# Altium PCB MCU021_V1.0_PCB.PcbDoc (part 2 of 3) (continued)
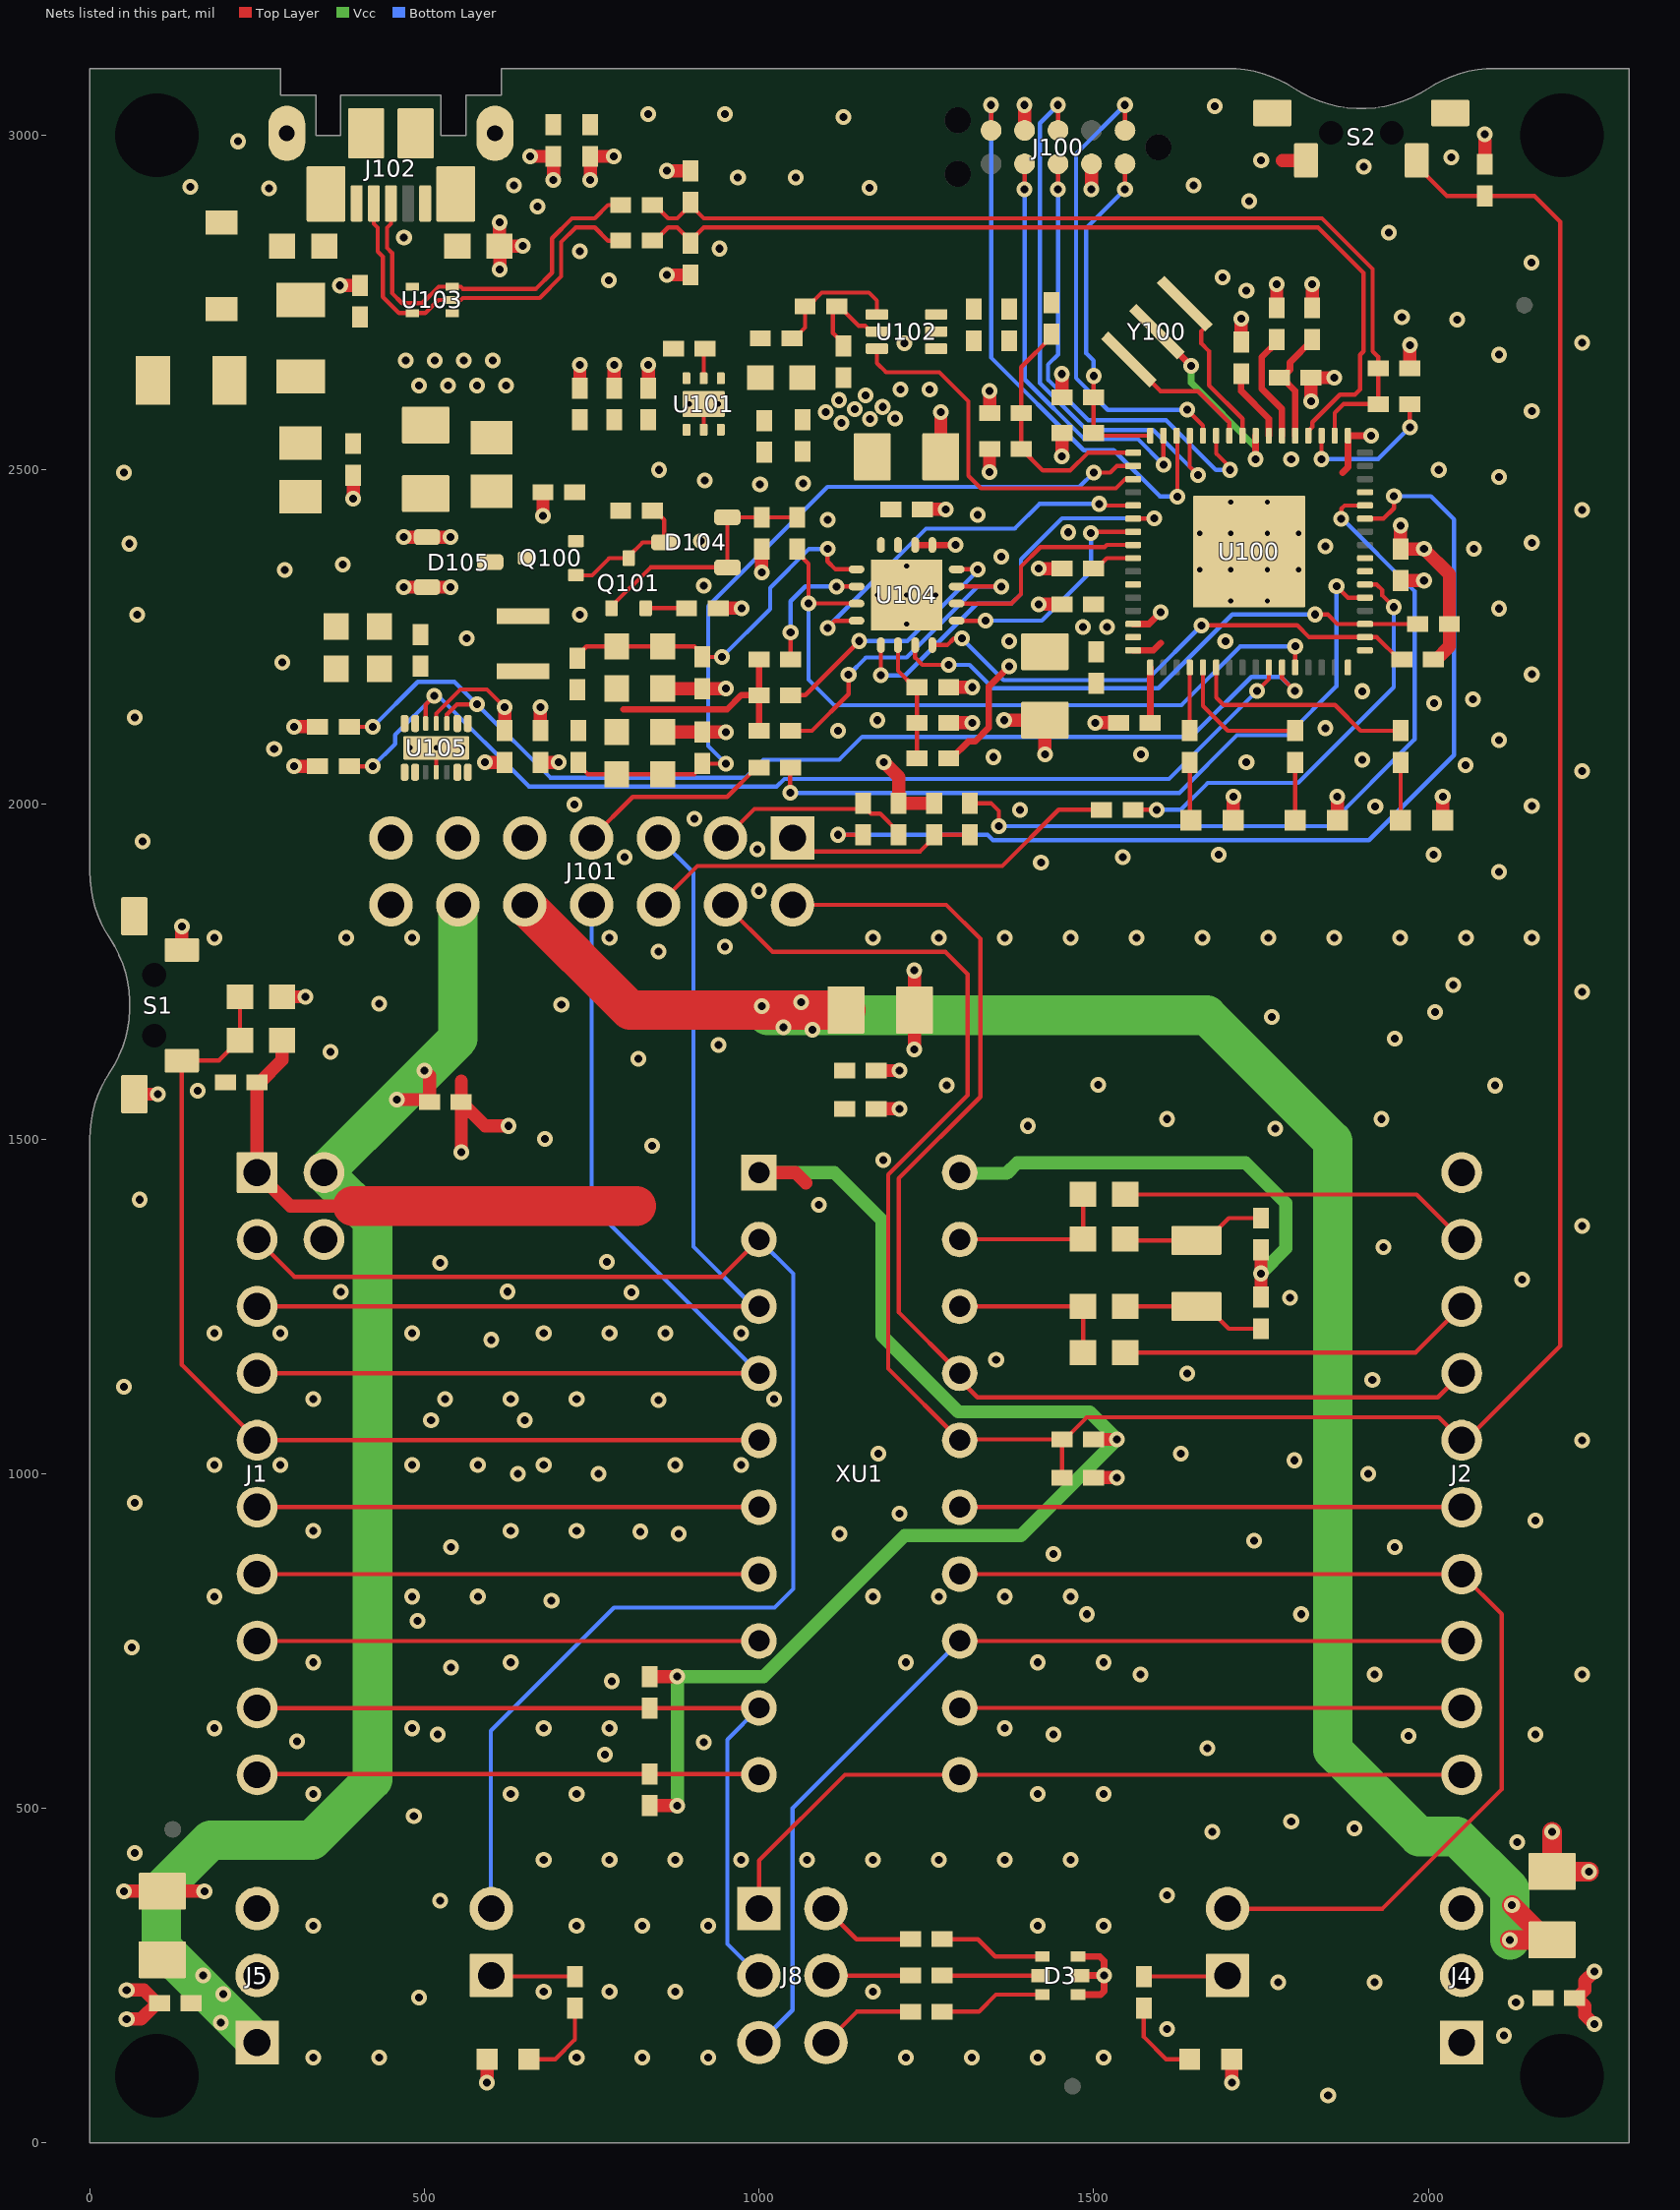
[diagram p4: the nets of this part, all layers, seen from the top]
## Part data (continued)
ZZ2 ZZ3 ZZ4 ZZ5 ZZ6 ZZ7: library part AssemblyNote, Alternate Manufacturer=-, Alternate PartNumber=-, ClassName=AssemblyNote, CompType=AssemblyNote, LatestRevisionDate=2012-06-14, LatestRevisionNote="Initial Version", Publisher="Texas Instruments", SymbolCreator=codlsc, SymbolVersion=2010-05-18

## Via types
v1: diameter 23.62, hole 11.81, Top Layer to Bottom Layer, tented both sides, 436 vias
v2: diameter 19.68, hole 7.87, Top Layer to Bottom Layer, tented both sides, 20 vias
v3: diameter 23.62, hole 11.81, Top Layer to Bottom Layer, 2 vias
v4: diameter 19.68, hole 7.87, Top Layer to Bottom Layer, tented bottom, 2 vias

## Nets (pads, with @x,y where several pads share a name; then routed paths per layer and width w, separated by ;. In a path a pad name is that pad's centre, name@x,y a point inside that pad or via, vN(x,y) a via of type N, cw(c..) or ccw(c..) an arc to the next point about the centre after c; other vN are vias at no path point)
3.3V: C1.1 C2.1 C3.1 C4.1 C6.1 C7.1 J1.1 J4.1 J101.10 R1.1 R2.1 R6.2 R10.2 XU1.1 | length 5735
  Top Layer w19.68: R6.2@287.4,1647.64 287.4,1618.11 253.94,1584.65 C1.1@250,1584.65 J1.1@250,1450 300,1400 393.26,1400 ; R2.1@836.61,503.94 v1(877.95,503.94) ; R1.1@836.61,696.85 v1(877.95,696.85) ; XU1.1@1000,1450 1054.72,1450 1070,1434.72 ; R10.2@1500,1051.18 v1(1535.04,1051.18)
  Top Layer w29.53: v1(2122.05,303.15) C6.1@2177.17,303.15 ; v1(2125.2,355.12) C6.1@2177.17,303.15 ; C6.1@2185.04,303.15 C6.1@2177.17,303.15
  Top Layer w59.06: 393.26,1400 816.81,1400 ; J101.10@650,1850 807.09,1692.91 C2.1@1129.92,1692.91
  Vcc w19.68: v1(877.95,503.94) v1(877.95,696.85) 1006.7,696.85 1217.53,907.68 1391.54,907.68 v1(1535.04,1051.18) 1493.9,1092.32 1297.82,1092.32 1183.86,1206.29 1183.86,1378.74 1112.6,1450 XU1.1@1000,1450
  Vcc w59.06: 1012.99,1685.04 1669.18,1685.04 1857.24,1496.97 1857.24,586.85 1986.22,457.87 2042.24,457.87 2122.05,378.06 v1(2122.05,303.15)
  other v1: 2113.39,160.24 2131.1,209.84 1079.92,1663.39 1036.22,1667.32 1003.94,1698.82 1062.99,1704.72
5.0V: C5.1 C8.1 C9.1 J3.21 J5.1 J101.12 | length 2200.3
  Top Layer w19.68: C8.1@108.27,273.62 C8.1@116.14,273.62 ; v1(459.05,1559.06) 503.94,1559.06 C5.1@507.87,1555.12 507.87,1594.48 v1(500,1602.36)
  Vcc w59.06: J5.1@250,150 106.69,293.31 106.69,378.23 180.82,452.36 331.84,452.36 422.44,542.96 422.44,1377.56 J3.21@350,1450 v1(459.05,1559.06) 550,1650 J101.12@550,1850
  other v1: 196.06,179.53 199.21,222.05 169.29,250.39
EZ_GND: C100.2 C101.2 C102.2 C103.2 C104.2 C105.2 C106.1 C107.1 C108.2 C109.1 C110.2 C111.2 C112.2 C113.2 C114.2 C115.2 C116.2 C117.2 C118.2 C119.2 C121.2 C122.2 C123.2 C124.2 C125.2 C126.2 C127.2 C128.2 C129.2 C130.2 C131.2 C133.2 C136.2 C137.2 C138.2 C139.2 C140.2 C141.1 C142.2 D100.1 D101.1 D102.1 D105.1 D105.2 J100.9 J101.13 L101.2 R116.1 R117.1 R122.1 R123.1 R124.1 R129.1 R130.1 R131.1 R132.1 R135.1 R136.1 U100.14 U100.16 U100.39 U100.49 U100.56 U100.65@1732.28,2377.95 U101.3 U101.5 U101.7@917.32,2598.43 U102.1 U102.2 U103.4 U104.13 U104.14 U104.17 U105.11 U105.15@517.72,2084.65 Y100.2 | length 2666
  Top Layer w6.3: U105.11@517.72,2048.23 v2(517.72,2084.65) ; U101.5@917.32,2560.04 U101.7@917.32,2598.43
  Top Layer w9.84: U104.14@1233.27,2387.8 v1(1293.9,2387.8) ; U100.16@1559.06,2230.31 1589.37,2230.31 1600.39,2241.34 ; U100.14@1559.06,2269.68 1582.68,2269.68 v1(1600.39,2287.4) ; Y100.2@1594.49,2706.69 v1(1645.75,2655.47) ; v1(1742.13,2516.14) U100.56@1742.13,2551.18 ; U100.49@1879.96,2551.18 v1(1915,2551.18)
  Top Layer w10: 1872.05,2496.06 1879.96,2503.97 U100.49@1879.96,2551.18 ; C113.2@1958.66,2334.65 C113.2@1958.66,2338.58
  Top Layer w19.68: v1(305.51,2057.09) R136.1@340.55,2057.09 ; v1(305.51,2116.14) R135.1@340.55,2116.14 ; v1(374.02,2775.59) C126.2@403.54,2775.59 ; v1(393.7,2457.09) C122.2@393.7,2492.13 ; v1(468.9,2324.8) D105.2@503.94,2324.8 v1(538.98,2324.8) ; v1(468.9,2399.61) D105.1@503.94,2399.61 v1(538.98,2399.61) ; v1(590.55,2062.99) C141.1@620.08,2062.99 ; v1(612.2,2869.69) L101.2@612.2,2834.65 v1(647.24,2834.65) ; v1(612.6,2799.29) L101.2@612.6,2834.33 ; v1(657.87,2968.5) C125.2@692.91,2968.5 v1(692.91,2933.46) ; C140.2@673.23,2062.99 674.41,2061.81 675.59,2062.99 v1(700.79,2062.99) ; v1(677.17,2431.5) C129.2@677.17,2466.54 ; C100.2@732.28,2622.05 v1@732.28,2657.09 ; v1(748.03,2933.46) R117.1@748.03,2968.51 v1(783.07,2968.51) ; C101.2@783.46,2622.05 v1@783.46,2657.09 ; C102.2@834.65,2622.05 v1@834.65,2657.09 ; R132.1@856.3,2108.27 903.54,2108.27 C139.2@915.35,2108.27 v1(950.39,2108.27) ; R131.1@856.3,2173.23 C138.2@915.35,2173.23 v1(950.39,2173.23) ; v1(862.6,2791.34) C123.2@897.64,2791.34 ; v1(862.6,2946.85) C124.2@897.64,2946.85 ; R124.1@938.98,2293.31 v1(974.02,2293.31) ; v1(1003.94,2346.85) R122.1@1003.94,2381.89 ; v1(1186.69,2063.11) 1208.66,2041.14 C107.1@1208.66,2001.97 1250,2001.97 C106.1@1261.81,2001.97 ; C131.2@1244.09,2440.94 v1(1279.13,2440.95) ; C130.2@1271.65,2519.68 v1(1271.65,2586.61) ; C136.2@1283.46,2122.05 v1(1318.5,2122.05) ; R129.1@1283.46,2175.2 v1(1318.5,2175.2) ; v1(1344.49,2496.46) R130.1@1344.49,2531.5 ; C137.2@1344.49,2584.65 1344.09,2585.04 1344.72,2585.67 v1(1344.72,2618.11) ; v1(1366.14,2125.98) C111.2@1427.16,2125.98 v1(1427.17,2074.8) ; v1(1417.72,2299.21) C112.2@1452.76,2299.21 ; v1(1417.72,2352.36) C105.2@1452.76,2352.36 ; v1(1452.76,2520.08) C117.2@1452.76,2555.12 ; v1(1496.85,2919.29) J100.9@1496.85,2957.28 ; v1(1502.36,2122.05) C109.1@1537.4,2122.05 ; D100.1@1708.66,1976.38 v1(1708.66,2011.42) ; C108.2@1720.47,2690.94 v1(1720.47,2725.99) ; C110.2@1773.62,2742.13 v1(1773.62,2777.17) ; v1(1824.8,2602.75) C116.2@1824.8,2637.8 v1(1859.84,2637.8) ; C115.2@1826.77,2742.13 v1(1826.77,2777.17) ; D101.1@1864.17,1976.38 v1(1864.17,2011.42) ; C113.2@1958.66,2334.65 v1(1993.7,2334.65) ; R116.1@1972.44,2651.57 v1(1972.44,2686.62) ; D102.1@2021.65,1976.38 v1(2021.65,2011.42)
  Vcc w9.84: v1(1645.75,2655.47) 1645.75,2630.22 1742.13,2533.84 v1(1742.13,2516.14)
  other v1: 1421.26,1913.39 799.21,1921.26 1543.31,1921.26 1686.61,1924.68 2007.87,1925.2 997.56,1933.15 78.74,1944.88 903.54,1978.58 1389.76,1992.13 1920.91,1997.28 724.41,2000 2056.06,2058.7 1728.35,2062.99 1901.58,2066.93 1350.39,2070.87 1570.87,2074.8 275.59,2082.68 1118.11,2110.24 1846.46,2114.17 1177.17,2125.98 66.93,2129.92 2008.46,2151.22 2066.93,2157.48 1901.58,2169.29 287.4,2212.6 1696.85,2244.09 562.99,2248.03 70.87,2283.46 732.28,2283.46 917.32,2326.77 291.34,2350.39 377.95,2358.27 1362.21,2370.08 2068.15,2382.2 1846.46,2385.83 59.06,2389.76 913.39,2393.7 1462.2,2406.69 1102.36,2425.2 1326.77,2433.07 1001.57,2478.35 1066.14,2479.53 918.9,2484.25 51.18,2496.06 850.39,2500 2015.75,2500 1795.28,2515.75 1211.42,2620.08 1255.12,2620.08 732.28,2657.09 783.46,2657.09 834.65,2657.09 1217.32,2689.37 2043.31,2724.41 1960.63,2728.35 1728.35,2767.72 775.59,2783.46 1692.91,2787.4 732.28,2826.77 940.95,2830.71 469.53,2847.2 1940.94,2854.33 669.29,2893.7 1732.28,2901.57 268.11,2920.47 1165.35,2921.26 150,2923.23 633.86,2925.2 1649.61,2925.2 968.5,2937.01 1055.12,2937.01 221.65,2990.94 1125.98,3027.56 834.65,3031.5 948.82,3031.5 1681.1,3043.31
  other v2: 478.35,2084.65 557.09,2084.65 1220.47,2269.68 1704.92,2304.13 1759.65,2304.13 1177.17,2312.99 1220.47,2312.99 1263.78,2312.99 1658.46,2350.59 1704.92,2350.59 1759.65,2350.59 1806.1,2350.59 1220.47,2356.3 1658.46,2405.31 1704.92,2405.31 1759.65,2405.31 1806.1,2405.31 1704.92,2451.77 1759.65,2451.77
  other v4: 895.67,2598.43 938.98,2598.43
EZFET_5V: C121.1 C122.1 C127.1 C128.1 C129.1 Q100.2 R110.1 R112.2 R120.2
EZFET_A_VBUS: C137.1 R126.1 R130.2 U100.1 | length 381.6
  Top Layer w6.3: R126.1@1437.01,2702.76 1437.01,2698.82 1391.73,2653.54 C137.1@1391.73,2584.65 1391.73,2543.31 R130.2@1391.73,2531.5 1424.02,2499.21 1464.96,2499.21 1491.34,2525.59 U100.1@1559.06,2525.59
EZFET_A_VCC: C136.1 R125.1 R129.2 U104.6 | length 183.4
  Top Layer w6.3: U104.6@1207.68,2238.19 1207.68,2199.8 1232.28,2175.2 R129.2@1236.22,2175.2 C136.1@1236.22,2122.05 R125.1@1236.22,2068.9
EZFET_A_VCCOUT: C134.2 C138.1 R127.1 R131.2 U104.1 | length 544.6
  Top Layer w6.3: C134.2@728.35,2218.5 728.35,2222.44 742.13,2236.22 R127.1@787.4,2236.22 R131.2@856.3,2236.22 903.54,2236.22 915.35,2224.41 C138.1@915.35,2220.47 v1(944.88,2220.47) ; v1(1102.36,2381.89) 1102.36,2363.39 1114.37,2351.38 U104.1@1145.67,2351.38
  Bottom Layer w6.3: v1(944.88,2220.47) 1016.54,2292.13 1016.54,2323.62 1074.8,2381.89 v1(1102.36,2381.89)
EZFET_A_VCCOUT2ADC: C135.2 C139.1 R128.1 R132.2 U100.2 | length 1206.7
  Top Layer w6.3: C135.2@730.31,2062.99 730.31,2059.06 744.09,2045.28 R128.1@787.4,2045.28 806.1,2045.28 R132.2@856.3,2045.27 903.54,2045.27 915.35,2057.09 C139.1@915.35,2061.02 v1(950.39,2061.02) ; v1(1500,2496.06) 1524.8,2496.06 1534.65,2505.9 U100.2@1559.06,2505.91
  Bottom Layer w6.3: v1(950.39,2061.02) 924.02,2087.4 924.02,2296.44 1102.18,2474.61 1478.54,2474.61 v1(1500,2496.06)
EZFET_D_N: C123.1 R113.2 U100.52 | length 1409.5
  Top Layer w6.3: R113.2@840.55,2842.52 844.49,2842.52 864.2,2862.23 877.93,2862.23 C123.1@897.64,2842.52 ; C123.1@897.64,2838.58 C123.1@897.64,2842.52 ; U100.52@1820.89,2551.18 1820.89,2558.27 1826.8,2564.18 1826.8,2571.21 1868.11,2612.52 1890.31,2612.52 1898.11,2620.31 1898.11,2672.06 1903.21,2677.16 1903.21,2794.38 1835.37,2862.23 917.35,2862.23 C123.1@897.64,2842.52
EZFET_D_P: C124.1 R114.2 R115.1 R116.2 U100.50 | length 1445.8
  Top Layer w6.3: R114.2@840.55,2895.67 844.49,2895.67 864.2,2875.96 877.93,2875.96 C124.1@897.64,2895.67 ; C124.1@897.64,2899.61 C124.1@897.64,2895.67 ; U100.50@1860.27,2551.18 1860.27,2585.27 1873.42,2598.43 R115.1@1925.2,2598.43 R116.2@1925.2,2651.57 1925.2,2668.91 1916.94,2677.16 1916.94,2800.07 1841.05,2875.96 917.35,2875.96 C124.1@897.64,2895.67
EZFET_DCDCCAL0: R133.1 U104.12 | length 390.1
  Top Layer w6.3: R133.1@1047.24,2163.39 1069.13,2163.39 v1(1150,2244.25) ; U104.12@1295.28,2351.38 v1(1326.77,2351.38)
  Bottom Layer w6.3: v1(1150,2244.25) 1221.76,2244.25 1326.77,2349.26 v1(1326.77,2351.38)
EZFET_DCDCCAL1: R134.1 U104.2 | length 194.9
  Top Layer w6.3: R134.1@1047.24,2216.53 v1(1047.2,2256.85) ; v1@1116.14,2325.79 U104.2@1145.67,2325.79
  Bottom Layer w6.3: v1(1047.2,2256.85) 1047.2,2303.9 1069.09,2325.79 v1(1116.14,2325.79)
EZFET_DCDCCAL2: R137.1 U104.11 | length 488.1
  Top Layer w6.3: R137.1@1047.24,2110.24 1079.26,2110.24 1133.86,2164.84 v1(1133.86,2193.7) ; U104.11@1295.28,2325.79 1362.01,2325.79 v1(1362.2,2325.59)
  Bottom Layer w6.3: v1(1133.86,2193.7) 1159.8,2219.65 1220.57,2219.65 1326.52,2325.59 v1(1362.2,2325.59)
EZFET_DCDCIO0: U100.5 U104.4 | length 583
  Top Layer w6.3: v1(1102.36,2263.78) 1113.19,2274.61 U104.4@1145.67,2274.61 ; v1(1508.03,2449.25) 1510.43,2446.85 U100.5@1559.06,2446.85
  Bottom Layer w6.3: v1(1102.36,2263.78) 1102.36,2264.91 1249.65,2412.2 1382.13,2412.2 1419.17,2449.25 v1(1508.03,2449.25)
EZFET_DCDCIO1: U100.6 U104.5 | length 612.8
  Top Layer w6.3: v1(1182.09,2192.91) U104.5@1182.09,2238.19 ; U100.6@1559.06,2427.17 1590.16,2427.16 v1(1590.55,2427.56)
  Bottom Layer w6.3: v1(1182.09,2192.91) 1218.52,2192.91 1325.81,2300.2 1376.97,2300.2 1391.37,2314.6 1391.37,2366.17 1452.76,2427.56 v1(1590.55,2427.56)
EZFET_DCDCPULSE: R121.1 U100.28 U104.3 | length 1084.9
  Top Layer w6.3: R121.1@1057.09,2381.89 1057.09,2376.54 1074.02,2359.61 v1(1074.02,2300.39) 1145.47,2300.39 U104.3@1145.67,2300.2 ; U100.28@1801.2,2204.72 v1(1801.2,2236.22)
  Bottom Layer w6.3: v1(1074.02,2300.39) 1074.02,2186.61 1112.2,2148.43 1631.26,2148.43 1719.05,2236.22 v1(1801.2,2236.22)
EZFET_DCDCRST: U100.7 U104.9 | length 352.5
  Top Layer w6.3: U104.9@1295.28,2274.61 1338.39,2274.61 v1(1338.58,2274.8) ; v1(1496.06,2405.51) 1498.03,2407.48 U100.7@1559.06,2407.48
  Bottom Layer w6.3: v1(1338.58,2274.8) 1422.82,2274.8 1496.06,2348.05 v1(1496.06,2405.51)
EZFET_DCDCTEST: U100.8 U104.10 | length 324
  Top Layer w6.3: U104.10@1295.28,2300.2 1376.97,2300.2 1391.37,2314.6 1391.37,2355.52 1420.49,2384.64 1516.49,2384.64 1519.65,2387.8 U100.8@1559.06,2387.8
EZFET_LDOCurrent_Sense: U100.3 U102.6 | length 552.8
  Top Layer w6.3: U102.6@1176.18,2681.1 1176.18,2659.49 1189.92,2645.75 1269.41,2645.75 1312.72,2602.44 1312.72,2491.3 1331.65,2472.36 1533.38,2472.36 1547.24,2486.22 U100.3@1559.06,2486.22
EZFET_LDOOUT: C103.1 R102.1 R109.1 U101.1
EZFET_LED0: R100.2 U100.20 | length 94.5
  Top Layer w6.3: 1643.68,2126.01 U100.20@1643.68,2204.72 ; R100.2@1643.7,2110.24 R100.2@1643.7,2125.98
EZFET_LED1: R101.2 U100.21 | length 210.6
  Top Layer w6.3: U100.21@1663.37,2204.72 1663.37,2147.26 1700.39,2110.24 R101.2@1801.18,2110.24
EZFET_LED2: R103.2 U100.22 | length 341.1
  Top Layer w6.3: U100.22@1683.06,2204.72 1683.06,2159.66 1694.09,2148.62 1860.63,2148.62 1899.01,2110.24 R103.2@1958.66,2110.24
EZFET_NC_TMSC: U100.45
EZFET_PUR: R115.2 U100.51 | length 221.5
  Top Layer w6.3: v1(1840.58,2516.14) U100.51@1840.58,2551.18 ; v1(1972.44,2563.38) R115.2@1972.44,2598.43
  Bottom Layer w6.3: v1(1840.58,2516.14) 1925.2,2516.14 v1(1972.44,2563.38)
EZFET_RST: C117.1 J100.10 R108.1 U100.64 | length 517
  Top Layer w6.3: v1(1500,2640.35) R108.1@1500,2608.27 C117.1@1500,2555.12 1503.94,2551.18 U100.64@1584.61,2551.18 ; v1(1546.85,2919.29) J100.10@1546.85,2957.28
  Bottom Layer w6.3: v1(1500,2640.35) 1500,2663.19 1488.86,2674.33 1488.86,2861.3 v1(1546.85,2919.29)
EZFET_SBWTCK: R104.1 U100.44 | length 1174.2
  Top Layer w6.3: R104.1@1314.96,2001.97 1346.73,2001.97 1358.27,1990.43 v1(1358.27,1967.52) ; v1(1870.08,2427.17) 1870.08,2442.08 1874.85,2446.85 U100.44@1905.51,2446.85
  Bottom Layer w6.3: v1(1358.27,1967.52) 1849.78,1967.52 1979.53,2097.26 1979.53,2318.74 1871.1,2427.17 v1(1870.08,2427.17)
EZFET_SBWTDIO: R105.1 U100.43 | length 1537.8
  Top Layer w6.3: v1(1118.11,1954.72) R105.1@1155.51,1954.72 ; U100.43@1905.51,2427.17 1933.17,2427.17 1948.82,2442.82 v1(1948.82,2460.63)
  Bottom Layer w6.3: v1(1118.11,1954.72) 1341.55,1954.72 1349.62,1946.65 1911.42,1946.65 2038.58,2073.82 2038.58,2425.98 2003.94,2460.63 v1(1948.82,2460.63)
EZFET_SCL: R119.1 U100.35 U104.7 | length 840.3
  Top Layer w6.3: U104.7@1233.27,2238.19 1233.27,2219.49 1244.09,2208.66 v1(1283.46,2208.66) ; v1(1830.79,2283.94) 1849.92,2283.94 1864.17,2269.68 U100.35@1905.51,2269.68 1968.5,2269.68 R119.1@1984.25,2269.68
  Bottom Layer w6.3: v1(1283.46,2208.66) 1314.55,2208.66 1349.59,2173.62 1596.83,2173.62 1707.15,2283.94 v1(1830.79,2283.94)
EZFET_SDA: R118.1 U100.34 U104.8 | length 786.7
  Top Layer w6.3: U104.8@1258.86,2238.19 1281.34,2238.19 1291.18,2248.03 v1(1303.15,2248.03) ; v1(1661.42,2267.72) 1804.29,2267.72 1822.01,2250 U100.34@1905.51,2250 1923.23,2250 1956.69,2216.54 R118.1@1960.63,2216.54
  Bottom Layer w6.3: v1(1303.15,2248.03) 1365.37,2185.83 1579.53,2185.83 v1(1661.42,2267.72)
EZFET_TCK: J100.7 U100.63 | length 625.6
  Top Layer w6.3: v1(1396.85,2919.29) 1396.85,2941.78 J100.7@1396.85,2957.28 ; v1@1604.3,2507.91 U100.63@1604.3,2551.18
  Bottom Layer w6.3: v1(1396.85,2919.29) 1396.85,2635.18 1486.09,2545.94 1566.26,2545.94 v1(1604.33,2507.87)
EZFET_TDI: J100.3 U100.61 | length 821.6
  Top Layer w6.3: J100.3@1446.85,3007.28 v1(1446.85,3045.28) ; U100.61@1643.68,2551.18 1643.68,2504.75 v1(1655.91,2492.52)
  Bottom Layer w6.3: v1(1446.85,3045.28) 1419.69,3018.11 1419.69,2629.61 1489.61,2559.68 1588.74,2559.68 v1(1655.91,2492.52)
EZFET_TDO: J100.1 U100.60 | length 710.5
  Top Layer w6.3: J100.1@1546.85,3007.28 v1(1546.85,3045.28) ; v1(1639.76,2589.76) 1663.37,2566.16 U100.60@1663.37,2551.18
  Bottom Layer w6.3: v1(1546.85,3045.28) 1473.62,2972.05 1473.62,2637.22 1521.08,2589.76 v1(1639.76,2589.76)
EZFET_TEST: J100.8 U100.59 | length 715.9
  Top Layer w6.3: v1(1446.85,2919.29) J100.8@1446.85,2957.28 ; U100.59@1683.06,2551.18 1683.06,2524.42 1703.54,2503.94 v1(1703.54,2500)
  Bottom Layer w6.3: v1(1446.85,2919.29) 1446.85,2672.44 1431.89,2657.48 1431.89,2634.66 1492.22,2574.33 1608.35,2574.33 1682.68,2500 v1(1703.54,2500)
EZFET_TMS: J100.5 U100.62 | length 871.2
  Top Layer w6.3: J100.5@1346.85,3007.28 v1(1346.85,3045.28) ; U100.62@1623.99,2551.18 1625.2,2549.97 v1(1625.2,2460.24)
  Bottom Layer w6.3: v1(1346.85,3045.28) 1346.85,2667.92 1485.25,2529.53 1529.92,2529.53 1599.21,2460.24 v1(1625.2,2460.24)
EZFET_UARTCTS: U100.32
EZFET_UARTRTS: U100.33
EZFET_UARTRXD: R106.2 U100.38 | length 647.1
  Top Layer w6.3: R106.2@1559.06,1992.13 v1(1594.49,1992.13) ; U100.38@1905.51,2328.74 1922.87,2328.74 1931.38,2320.24 1931.38,2312.36 1948.74,2295 v1(1948.5,2295)
  Bottom Layer w6.3: v1(1594.49,1992.13) 1630.37,1992.13 1670.53,2032.28 1805.53,2032.28 1948.5,2175.26 v1(1948.5,2295)
EZFET_UARTTXD: R107.1 U100.37 | length 1125.3
  Top Layer w6.3: v1(1046.57,2017.32) 1046.57,2050.51 1051.18,2055.12 R107.1@1047.24,2055.12 ; v1(1862.91,2326.3) 1880.16,2309.06 U100.37@1905.51,2309.06
  Bottom Layer w6.3: v1(1046.57,2017.32) 1627.95,2017.32 1714.21,2103.58 1789.68,2103.58 1862.91,2176.81 v1(1862.91,2326.3)
EZFET_USB_SHIELD: C125.1 J102.6 J102.7 J102.8 J102.9 J102.10 J102.11 R117.2
EZFET_V18: C108.1 U100.55 | length 109.6
  Top Layer w9.84: C108.1@1720.47,2643.7 1720.47,2617.72 1761.82,2576.37 U100.55@1761.82,2551.18
EZFET_VBUS: C100.1 C101.1 C102.1 C115.1 C116.1 C118.1 C119.1 C126.1 D103.1 J101.11 R112.1 R126.2 U100.53 U101.4 U101.6 U102.3 U103.1 | length 174.6
  Top Layer w9.84: C116.1@1777.56,2637.8 C116.1@1781.5,2637.8 ; U100.53@1801.2,2551.18 1801.2,2618.09 C116.1@1781.5,2637.8 ; C115.1@1826.77,2694.88 1826.77,2694.1 1793.31,2660.63 1793.31,2649.61 C116.1@1781.5,2637.8
  other v1: 492.13,2625.98 535.43,2625.98 578.74,2625.98 622.05,2625.98 472.44,2663.39 515.75,2663.39 559.06,2663.39 602.36,2663.39
EZFET_VCC: C104.1 C111.1 C112.1 C113.1 C114.1 C130.1 C131.1 C140.1 C141.2 J100.4 R102.2 R108.2 R111.1 R118.2 R119.2 R125.2 U100.11 U100.15 U100.40 U104.15 U104.16 U105.1 U105.2 U105.4 | length 740.9
  Top Layer w6.3: U105.4@517.72,2121.06 517.72,2136.03 553.74,2172.05 593.31,2172.05 v1(620.08,2145.28)
  Top Layer w9.84: R125.2@1283.46,2068.9 1287.4,2068.9 1312.73,2094.23 1322.7,2094.23 1343.5,2115.03 1343.5,2176.18 v1(1374.02,2206.69)
  Top Layer w19.68: C141.2@620.08,2110.24 v1(620.08,2145.28) ; C140.1@673.23,2110.24 v1(673.23,2145.28) ; J100.4@1396.85,3007.28 v1(1396.85,3045.28) ; C111.1@1427.16,2228.35 C111.1@1435.04,2228.35 ; R108.2@1452.76,2608.27 v1(1452.76,2643.31) ; v1(1958.66,2416.93) C113.1@1958.66,2381.89 v1(1993.7,2381.89) 2031.5,2344.1 R119.2@2031.5,2269.68 2031.5,2236.22 2011.81,2216.54 R118.2@2007.87,2216.54
  other v1: 1374.02,2244.09 1484.25,2264.96 1520.08,2265.35 1123.23,2570.08 1165.75,2576.38 1203.15,2576.77 1100,2586.22 1143.31,2590.55 1184.65,2594.09 1119.29,2604.33 1159.45,2611.42
EZFET_VCCEN1: R136.2 U100.26 U105.5 | length 1612.6
  Top Layer w6.3: R136.2@387.8,2057.09 v1@422.83,2057.09 ; U105.5@501.97,2121.06 501.97,2149.29 514.67,2161.99 v1(514.67,2162.49) ; v1(1744.41,2169.88) 1761.82,2187.29 U100.26@1761.82,2204.72
  Bottom Layer w6.3: v1(422.84,2057.09) 456.3,2090.55 456.3,2104.12 v1(514.67,2162.49) 520.56,2162.49 656.4,2026.65 1026.39,2026.65 1037.93,2038.19 1612.72,2038.19 v1(1744.41,2169.88)
EZFET_VCCEN2: R135.2 U100.27 U105.3 | length 1684.6
  Top Layer w6.3: R135.2@387.8,2116.14 v1(422.84,2116.14) ; U105.3@533.46,2121.06 533.46,2134.52 548.55,2149.6 v1(578.74,2149.6) ; U100.27@1781.51,2204.72 1781.51,2188.96 v1(1800.59,2169.88)
  Bottom Layer w6.3: v1(422.84,2116.14) 490.05,2183.36 544.99,2183.36 v1(578.74,2149.6) 578.74,2143.7 581.69,2146.65 688.18,2040.16 979.96,2040.16 1006.46,2066.65 1119.74,2066.65 1154.27,2101.18 1646.2,2101.18 1735.77,2190.75 1779.72,2190.75 v1(1800.59,2169.88)
EZFET_VCCOUT: C132.1 C133.1 C134.1 C135.1 L102.2 R127.2 R128.2 R133.2 R134.2 R137.2 U105.6 U105.7 | length 317.4
  Top Layer w9.84: 797.72,2142.17 952.36,2142.17 973.58,2163.39 R133.2@1000,2163.39 ; R137.2@1000,2110.24 R133.2@1000,2163.39 ; R134.2@1000,2216.53 R133.2@1000,2163.39
EZFET_VCCTARGET: J101.9 U105.8 U105.9 U105.13 U105.14
EZFET_VCORE: C109.2 U100.17 | length 82.7
  Top Layer w6.3: 1584.61,2133.9 1584.65,2133.86 C109.2@1584.65,2122.05
  Top Layer w9.84: 1584.61,2133.9 U100.17@1584.61,2204.72
EZFET_VREF: C105.1 U100.9 | length 65.6
  Top Layer w6.3: C105.1@1500,2352.36 1508.66,2361.02 1512.48,2361.02 1519.57,2368.11 U100.9@1559.06,2368.11
EZFET_VUSB: C110.1 U100.54 | length 165.7
  Top Layer w9.84: C110.1@1773.62,2694.88 1773.62,2690.94 1750.98,2668.31 1750.98,2621.5 1781.51,2590.97 U100.54@1781.51,2551.18
EZFET_XT2IN: U100.57 Y100.1 | length 184.1
  Top Layer w6.3: 1662.64,2709.09 1660.94,2707.4 1660.94,2688.94 1672.4,2677.48 1672.4,2626.5 1722.44,2576.46 U100.57@1722.44,2551.18
EZFET_XT2OUT: U100.58 Y100.3 | length 208.8
  Top Layer w6.3: Y100.3@1552.73,2664.93 1599.95,2617.72 1656.05,2617.72 1702.75,2571.02 U100.58@1702.75,2551.18
GND: C1.2 C2.2 C3.2 C4.2 C5.2 C6.2 C7.2 C8.2 C9.2 C10.2 C11.2 C12.2 C13.2 C14.2 D1.1 D2.1 D3.1 D3.2 D3.3 J2.20 J3.22 J4.2 J4.3 J5.2 J5.3 J101.14 S1.1 S1.2 S1.3 S2.1 S2.2 S2.4 XU1.20 | length 1988.8
  Top Layer w10: D3.1@1476.57,221.46 1510.31,221.46 1515.75,226.89 v1(1515.75,250) ; D3.3@1476.57,278.54 1509.13,278.54 1515.75,271.93 v1(1515.75,250) ; D3.2@1479.53,250 v1(1515.75,250)
  Top Layer w19.68: v1(51.18,375.98) C8.2@108.27,375.98 v1(171.26,375.98) ; v1(55.12,185.04) 76.77,185.04 C9.2@100.39,208.66 ; v1(55.12,228.35) 80.71,228.35 C9.2@100.39,208.66 ; S1.2@76.77,1567.13 v1(101.73,1567.13) ; C9.2@104.33,208.66 C9.2@100.39,208.66 ; S1.3@137.56,1782.68 v1(137.56,1817.72) ; C12.2@287.4,1712.6 v1(322.44,1712.6) ; v1(555.12,1480.31) 555.12,1515.75 C5.2@555.12,1555.12 ; 555.12,1586.61 C5.2@555.12,1555.12 ; v1(593.51,89.96) D1.1@593.5,125 ; v1(625.98,1519.68) 590.55,1519.68 C5.2@555.12,1555.12 ; C3.2@1175.2,1545.28 v1(1210.24,1545.28) ; C4.2@1175.2,1602.36 v1(1210.24,1602.36) ; v1(1232.28,1633.86) C2.2@1232.28,1692.91 v1(1232.28,1751.97) ; C13.2@1500,994.09 v1(1535.04,994.09) ; v1(1706.5,89.96) D2.1@1706.5,125 ; C11.2@1750,1267.72 v1(1750,1299.21) C10.2@1750,1334.64 ; 1782.28,2962.44 S2.4@1817.32,2962.44 ; C14.2@2084.65,2956.69 v1@2084.65,2991.73 ; C7.2@2218.5,216.54 C7.2@2222.44,216.54 ; v1(2248.03,177.17) 2234.25,190.94 2234.25,204.72 C7.2@2222.44,216.54 ; v1(2248.03,255.91) 2234.25,242.13 2234.25,228.35 C7.2@2222.44,216.54
  Top Layer w29.53: C6.2@2177.17,405.51 C6.2@2185.04,405.51 ; v1(2185.04,464.57) C6.2@2185.04,405.51 ; v1(2240.16,405.51) C6.2@2185.04,405.51
  Vcc w9.84: XU1.20@1291.34,1450 XU1.20@1300,1450
  Vcc w19.68: XU1.20@1300,1450 1301.18,1448.82 1370.08,1448.82 1385.85,1464.59 1727,1464.59 1787.42,1404.17 1787.42,1336.63 v1(1750,1299.21)
  other v1: 1850.39,70.87 333.79,127.42 432.21,127.42 727.49,127.42 825.91,127.42 924.34,127.42 1219.61,127.42 1318.04,127.42 1416.46,127.42 1514.89,127.42 1610,170 492.13,217 678.28,225.84 776.7,225.84 875.13,225.84 1170.4,225.84 1775.59,240.16 1920,240 333.79,324.27 727.49,324.27 825.91,324.27 924.34,324.27 1416.46,324.27 1514.89,324.27 523.62,362.2 1610,370 678.28,422.69 776.7,422.69 875.13,422.69 973.55,422.69 1071.98,422.69 1170.4,422.69 1268.83,422.69 1367.25,422.69 1465.68,422.69 66.93,433.07 2133.07,449.61 1677.17,464.57 1890,470 1795.28,480.32 484.25,488.19 333.79,521.12 629.06,521.12 727.49,521.12 1416.46,521.12 1514.89,521.12 770,580 1670,590 917.32,598.43 310,600 1970.47,608.27 520,610 1440,610 2160,610 186.15,619.54 481.43,619.54 678.28,619.54 776.7,619.54 1367.25,619.54 780,690 1570,700 1920,700 2230,700 540,710 333.79,717.97 629.06,717.97 1219.61,717.97 1416.46,717.97 1514.89,717.97 62.99,740.16 490,780 1490,790 1810,790 690,810 186.15,816.39 481.43,816.39 579.85,816.39 1170.4,816.39 1268.83,816.39 1367.25,816.39 1465.68,816.39 1440,880 540,890 1950,890 1740,900 880,910 1120,910 822.83,913.38 333.79,914.82 629.06,914.82 727.49,914.82 2160,930 1210,940 66.93,956.69 640,1000 760,1000 1910,1000 186.15,1013.24 284.57,1013.24 481.43,1013.24 579.85,1013.24 678.28,1013.24 875.13,1013.24 973.55,1013.24 1800,1020 1178.06,1030 1630,1030 2230,1050 510,1080 650,1080 850,1110 333.79,1111.67 530.64,1111.67 629.06,1111.67 727.49,1111.67 1022.76,1111.67 51.18,1129.92 1916.54,1140.16 1640,1150 1354.33,1170.47 600,1200 186.15,1210.09 284.57,1210.09 481.43,1210.09 678.28,1210.09 776.7,1210.09 860,1210 973.55,1210.09 1793.7,1262.99 809.45,1271.26 375.2,1271.65 624.02,1272.05 2140,1290 523.62,1314.96 772.83,1316.54 1933.07,1338.58 2230,1370 1089.37,1401.97 74.8,1409.45 1185.43,1468.9 840,1490 680,1500 1771.65,1515.75 1401.57,1519.68 1610,1530 1930,1530 161.02,1572.44 1280.71,1580.32 2100,1580 1506.69,1581.1 820,1620 360,1630 939.37,1640.55 1950,1650 1766.54,1682.28 2010,1690 704.72,1700.79 432.21,1702.22 2230,1720 2037.4,1730.31 850,1780 948.82,1787.4 186.15,1800.65 383,1800.65 481.43,1800.65 776.7,1800.65 1170.4,1800.65 1268.83,1800.65 1367.25,1800.65 1465.68,1800.65 1564.1,1800.65 1662.53,1800.65 1760.95,1800.65 1859.38,1800.65 1957.8,1800.65 2056.23,1800.65 2154.65,1800.65 1000,1870.99 2105.44,1899.07 2154.65,1997.5 2230,2050 2105.44,2095.92 2154.65,2194.35 2105.44,2292.77 2154.65,2391.2 2230,2440 2105.44,2489.62 2154.65,2588.05 2230,2690 1903.94,2952.76 1750.39,2962.6 2034.65,2967.32 2084.65,3001.57
  other v3: 2106,2672 2154,2810
NetC10_1: C10.1 R5.2 Y1.2 | length 225.8
  Top Layer w6.3: R5.2@1547.24,1350.39 1549.21,1348.43 1673.23,1348.43 1673.23,1353.15 1701.97,1381.89 1746.06,1381.89 1750,1377.95 C10.1@1750,1381.89
NetC11_1: C11.1 R7.2 Y1.1 | length 219.4
  Top Layer w6.3: R7.2@1547.24,1250 1637.79,1250 1673.23,1250 1673.23,1245.28 1701.97,1216.54 C11.1@1750,1216.54
NetC106_2: C106.2 J101.1 R104.2 | length 289.8
  Top Layer w6.3: J101.1@1050,1950 1070.08,1929.92 1240.94,1929.92 1261.81,1950.79 C106.2@1261.81,1954.72 R104.2@1314.96,1954.72 R104.2@1314.96,1958.66
NetC107_2: C107.2 J101.3 R105.2 | length 304.4
  Top Layer w6.3: J101.3@950,1950 993.31,1993.31 1146.85,1993.31 R105.2@1155.51,2001.97 1155.51,1998.03 1167.32,1986.22 1181.1,1986.22 1208.66,1958.66 C107.2@1208.66,1954.72
NetC120_1: C120.1 R109.2 U102.4 | length 199.3
  Top Layer w6.3: R109.2@1049.21,2696.85 1053.15,2696.85 1068.9,2712.6 C120.1@1068.9,2744.09 1072.83,2744.09 1093.7,2764.96 1164.21,2764.96 1176.18,2752.99 U102.4@1176.18,2732.28
NetC120_2: C120.2 R111.2 U102.5 | length 143.3
  Top Layer w6.3: R111.2@1125.98,2685.04 1125.98,2688.98 1110.55,2704.41 1110.55,2738.5 C120.2@1116.14,2744.09 1120.08,2744.09 1148.82,2715.35 1158.66,2715.35 1167.32,2706.69 U102.5@1176.18,2706.69
NetC132_2: C132.2 R123.2
NetC142_1: C142.1 U101.2 | length 45.1
  Top Layer w6.3: U101.2@917.32,2636.81 917.32,2679.13 C142.1@919.29,2681.1
NetD1_2: D1.2 R4.1 | length 127.6
  Top Layer w6.3: D1.2@656.5,125 695.47,125 725,154.53 R4.1@725,201.38
NetD2_2: D2.2 R8.2 | length 125.4
  Top Layer w6.3: R8.2@1575,201.38 1575,158.27 1608.27,125 D2.2@1643.5,125
NetD3_4: D3.4 R11.2 | length 160.3
  Top Layer w6.3: R11.2@1273.62,196.06 1328.74,196.06 1354.13,221.46 D3.4@1423.43,221.46
NetD3_5: D3.5 R12.2 | length 146.9
  Top Layer w6.3: R12.2@1273.62,250 1371.26,250 1394.88,250 D3.5@1420.47,250
NetD3_6: D3.6 R13.2 | length 160.5
  Top Layer w6.3: R13.2@1273.62,304.33 1327.17,304.33 1352.95,278.54 D3.6@1423.43,278.54
NetD100_2: D100.2 R100.1 | length 87.4
  Top Layer w6.3: R100.1@1643.7,2062.99 1643.7,1978.35 D100.2@1645.67,1976.38
NetD101_2: D101.2 R101.1 | length 86.6
  Top Layer w6.3: D101.2@1801.18,1976.38 1801.18,1992.13 R101.1@1801.18,2062.99
NetD102_2: D102.2 R103.1 | length 86.6
  Top Layer w6.3: D102.2@1958.66,1976.38 1958.66,2047.24 R103.1@1958.66,2062.99
NetD103_2: D103.2 L100.2 R110.2 | length 6
  Top Layer w19.68: D103.2@196.85,2869.59 D103.2@202.85,2869.59
NetD104_1: D104.1 D104.2 Q101.1 R121.2 R122.2 | length 379.1
  Top Layer w6.3: Q101.1@779.53,2293.31 779.53,2295.87 837.99,2354.33 D104.1@952.76,2354.33 D104.2@952.76,2429.13 R122.2@1003.94,2429.13 R121.2@1057.09,2429.13
NetD104_3: D104.3 Q100.1 Q101.3 R120.1 | length 210.7
  Top Layer w6.3: Q100.1@726.38,2342.52 750.59,2342.52 776.18,2368.11 Q101.3@805.12,2368.11 805.12,2370.67 826.18,2391.73 D104.3@858.27,2391.73 858.27,2425.2 844.49,2438.98 R120.1@840.55,2438.98
NetD105_3: D105.3 L102.1 Q100.3
NetJ6_1: J6.1 R4.2 | length 125.6
  Top Layer w6.3: J6.1@600,250 601.38,248.62 R4.2@725,248.62
NetJ7_1: J7.1 R8.1 | length 125.6
  Top Layer w6.3: R8.1@1575,248.62 1698.62,248.62 J7.1@1700,250
NetJ8_2: J8.2 R13.1 | length 145.3
  Top Layer w6.3: J8.2@1100,350 1145.67,304.33 R13.1@1226.38,304.33
NetJ8_4: J8.4 R12.1 | length 126.4
  Top Layer w6.3: J8.4@1100,250 R12.1@1226.38,250
NetJ8_6: J8.6 R11.1 | length 145.5
  Top Layer w6.3: J8.6@1100,150 1146.06,196.06 R11.1@1226.38,196.06
NetJ101_6: J101.6 R106.1 | length 721.2
  Top Layer w6.3: J101.6@850.39,1849.61 J101.6@850,1850 907.99,1907.99 1363.54,1907.99 1447.68,1992.13 R106.1@1511.81,1992.13
NetJ101_7: J101.7 R107.2 | length 293.5
  Top Layer w6.3: J101.7@750,1950 811.42,2011.42 952.36,2011.42 996.06,2055.12 R107.2@1000,2055.12
NetJ102_1: J102.1 L100.1
NetJ102_5: J102.5 L101.1
NetQ101_2: Q101.2 R124.2 | length 61
  Top Layer w6.3: Q101.2@830.71,2293.31 R124.2@891.73,2293.31
P1.0_A0_LED1: J1.2 J6.2 XU1.2 | length 2145.5
  Top Layer w6.3: J1.2@250,1350 305.91,1294.09 944.09,1294.09 XU1.2@1000,1350
  Bottom Layer w6.3: J6.2@600,350 599.24,350.76 599.24,615.77 783.46,800 1023.23,800 1051.18,827.95 1051.18,1298.82 XU1.2@1000,1350
P1.1_UART_RX: J1.3 J101.5 XU1.3 | length 1517.2
  Top Layer w6.3: J1.3@250,1250 XU1.3@1000,1250
  Bottom Layer w6.3: J101.5@850,1950 901.97,1898.03 901.97,1339.37 991.34,1250 XU1.3@1000,1250
P1.2_UART_TX: J1.4 J101.8 XU1.4 | length 1553.6
  Top Layer w6.3: J1.4@250,1150 XU1.4@1000,1150
  Bottom Layer w6.3: J101.8@750,1850 750,1400 XU1.4@1000,1150
P1.3_I/O_S1: C12.1 J1.5 R6.1 S1.4 XU1.5 | length 1530.7
  Top Layer w6.3: S1.4@137.56,1617.32 S1.4@143.48,1617.32 ; C12.1@224.41,1712.6 R6.1@224.41,1647.64 223.42,1647.64 193.11,1617.32 S1.4@143.48,1617.32 ; XU1.5@1000,1050 J1.5@250,1050 137.56,1162.44 137.56,1611.4 S1.4@143.48,1617.32
P1.4_A4: J1.6 XU1.6 | length 750
  Top Layer w6.3: J1.6@250,950 XU1.6@1000,950
P1.5_SPICLK: J1.7 XU1.7 | length 750
  Top Layer w6.3: J1.7@250,850 XU1.7@1000,850
P1.6_SPMISO_LED2: J2.14 J7.2 XU1.14 | length 1580.3
  Top Layer w6.3: XU1.14@1300,850 J2.14@2050,850 2110,790 2110,528.5 1931.5,350 J7.2@1700,350
P1.7_SPIMOSI: J2.15 XU1.15 | length 750
  Top Layer w6.3: XU1.15@1300,950 J2.15@2050,950
P2.0_I/O: J1.8 XU1.8 | length 755.9
  Top Layer w6.3: J1.8@250,750 250,753.94 250.39,754.33 254.72,750 XU1.8@1000,750
P2.1_I2CSCL_LED3red: J1.9 J8.3 R1.2 XU1.9 | length 1189.5
  Top Layer w6.3: J1.9@250,650 253.54,650 253.94,649.61 R1.2@836.61,649.61 999.6,649.61 XU1.9@1000,650
  Bottom Layer w6.3: J8.3@1000,250 952.69,297.31 952.69,602.69 XU1.9@1000,650
P2.2_I2CSDA: J1.10 R2.2 XU1.10 | length 751
  Top Layer w6.3: J1.10@250,550 251.18,551.18 R2.2@836.61,551.18 998.82,551.18 XU1.10@1000,550
P2.3_I/O_LED3green: J2.11 J8.1 XU1.11 | length 1174.9
  Top Layer w6.3: J8.1@1000,350 1000,421.73 1128.27,550 XU1.11@1300,550 J2.11@2050,550
P2.4_I/O: J2.12 XU1.12 | length 752.8
  Top Layer w6.3: XU1.12@1300,650 1300,650.39 1302.76,653.15 1305.9,650 J2.12@2050,650
P2.5_I/O_LED3BLUE: J2.13 J8.5 XU1.13 | length 1475.2
  Top Layer w6.3: XU1.13@1300,750 J2.13@2050,750
  Bottom Layer w6.3: J8.5@1000,150 1001.58,150 1050,198.42 1050,500 XU1.13@1300,750
P2.6_PWM: J2.19 R3.2 | length 530.6
  Top Layer w6.3: R3.2@1547.24,1417.32 1982.68,1417.32 J2.19@2050,1350
P2.6_XIN: R3.1 R5.1 XU1.19 | length 251.3
  Top Layer w6.3: XU1.19@1300,1350 1300.39,1350.39 R5.1@1484.25,1350.39 1484.25,1369.09 R3.1@1484.25,1417.32
P2.7_I/O: J2.18 R9.2 | length 531.3
  Top Layer w6.3: R9.2@1547.24,1181.1 1981.1,1181.1 J2.18@2050,1250
P2.7_XOUT: R7.1 R9.1 XU1.18 | length 253.1
  Top Layer w6.3: XU1.18@1300,1250 R7.1@1484.25,1250 R9.1@1484.25,1181.1
RST/SBWTDIO: C13.1 C14.1 J2.16 J101.4 R10.1 S2.3 XU1.16 | length 4175.4
  Top Layer w6.3: J101.4@950,1850 1020.22,1779.78 1278.49,1779.78 1311.81,1746.46 1311.81,1565.77 1192.91,1446.87 1192.91,1157.09 XU1.16@1300,1050 1301.18,1051.18 R10.1@1452.76,1051.18 ; C13.1@1452.76,994.09 1452.76,1005.91 R10.1@1452.76,1051.18 ; S2.3@1982.68,2962.44 1982.68,2954.57 2027.79,2909.45 C14.1@2084.65,2909.45 2158.55,2909.45 2197.24,2870.76 2197.24,1190.94 2060.63,1054.33 J2.16@2045.67,1054.33 ; J2.16@2050,1050 J2.16@2045.67,1054.33 ; R10.1@1452.76,1051.18 1456.69,1051.18 1489.76,1084.25 2015.75,1084.25 J2.16@2045.67,1054.33
TST/SBWTCK: J2.17 J101.2 XU1.17 | length 1824.6
  Top Layer w6.3: J101.2@1050,1850 1279.92,1850 1330.71,1799.21 1330.71,1562.99 1208.66,1440.94 1208.66,1241.34 XU1.17@1300,1150 1300,1140.53 1326.36,1114.17 2014.17,1114.17 J2.17@2050,1150
USB_D_N: J102.2 R113.1 U103.2 U103.5 | length 602
  Top Layer w6.3: J102.2@424.41,2898.19 424.41,2867.88 430.34,2861.94 430.34,2826.2 438.04,2818.5 438.04,2758.49 462.28,2734.25 501.3,2734.25 520.99,2753.94 554.33,2753.94 557.31,2756.91 672.39,2756.91 704.51,2789.04 704.51,2840.51 726.23,2862.23 754.7,2862.23 774.41,2842.52 R113.1@793.31,2842.52
USB_D_P: J102.3 R114.1 U103.3 | length 580.7
  Top Layer w6.3: J102.3@450,2898.19 450,2867.88 444.07,2861.94 444.07,2831.89 451.77,2824.19 451.77,2764.17 466.73,2749.21 496.85,2749.21 521.26,2773.62 554.33,2773.62 557.31,2770.64 666.71,2770.64 690.79,2794.72 690.79,2846.2 720.55,2875.96 726.23,2875.96 754.7,2875.96 774.41,2895.67 R114.1@793.31,2895.67
pads on no net: FID1.1 FID2.1 FID3.1 H1. H2. J100.2 J100.6 J100.MH1 J100.MH2 J100.MH3 J102.4 MH1.1 MH2.1 MH3.1 MH4.1 S1. S2. SH-J6.0 SH-J7.0 SH-J8-1.0 SH-J8-2.0 SH-J8-3.0 SH-J101-1.0 SH-J101-2.0 SH-J101-3.0 SH-J101-4.0 SH-J101-5.0 SH-J101-6.0 SH-J101-7.0 U100.4 U100.10 U100.12 U100.13 U100.18 U100.19 U100.23 U100.24 U100.25 U100.29 U100.30 U100.31 U100.36 U100.41 U100.42 U100.46 U100.47 U100.48 U100.65@1677.56,2323.23 U100.65@1677.56,2377.95 U100.65@1677.56,2432.68 U100.65@1732.28,2323.23 U100.65@1732.28,2377.95 U100.65@1732.28,2432.68 U100.65@1787.01,2323.23 U100.65@1787.01,2377.95 U100.65@1787.01,2432.68 U101.7@899.61,2598.43 U101.7@935.04,2598.43 U105.10 U105.12 U105.15@491.93,2084.65 U105.15@543.5,2084.65